# Altium PCB PCB-Tester-Relay-Board.PcbDoc (part 4 of 4) (continued)
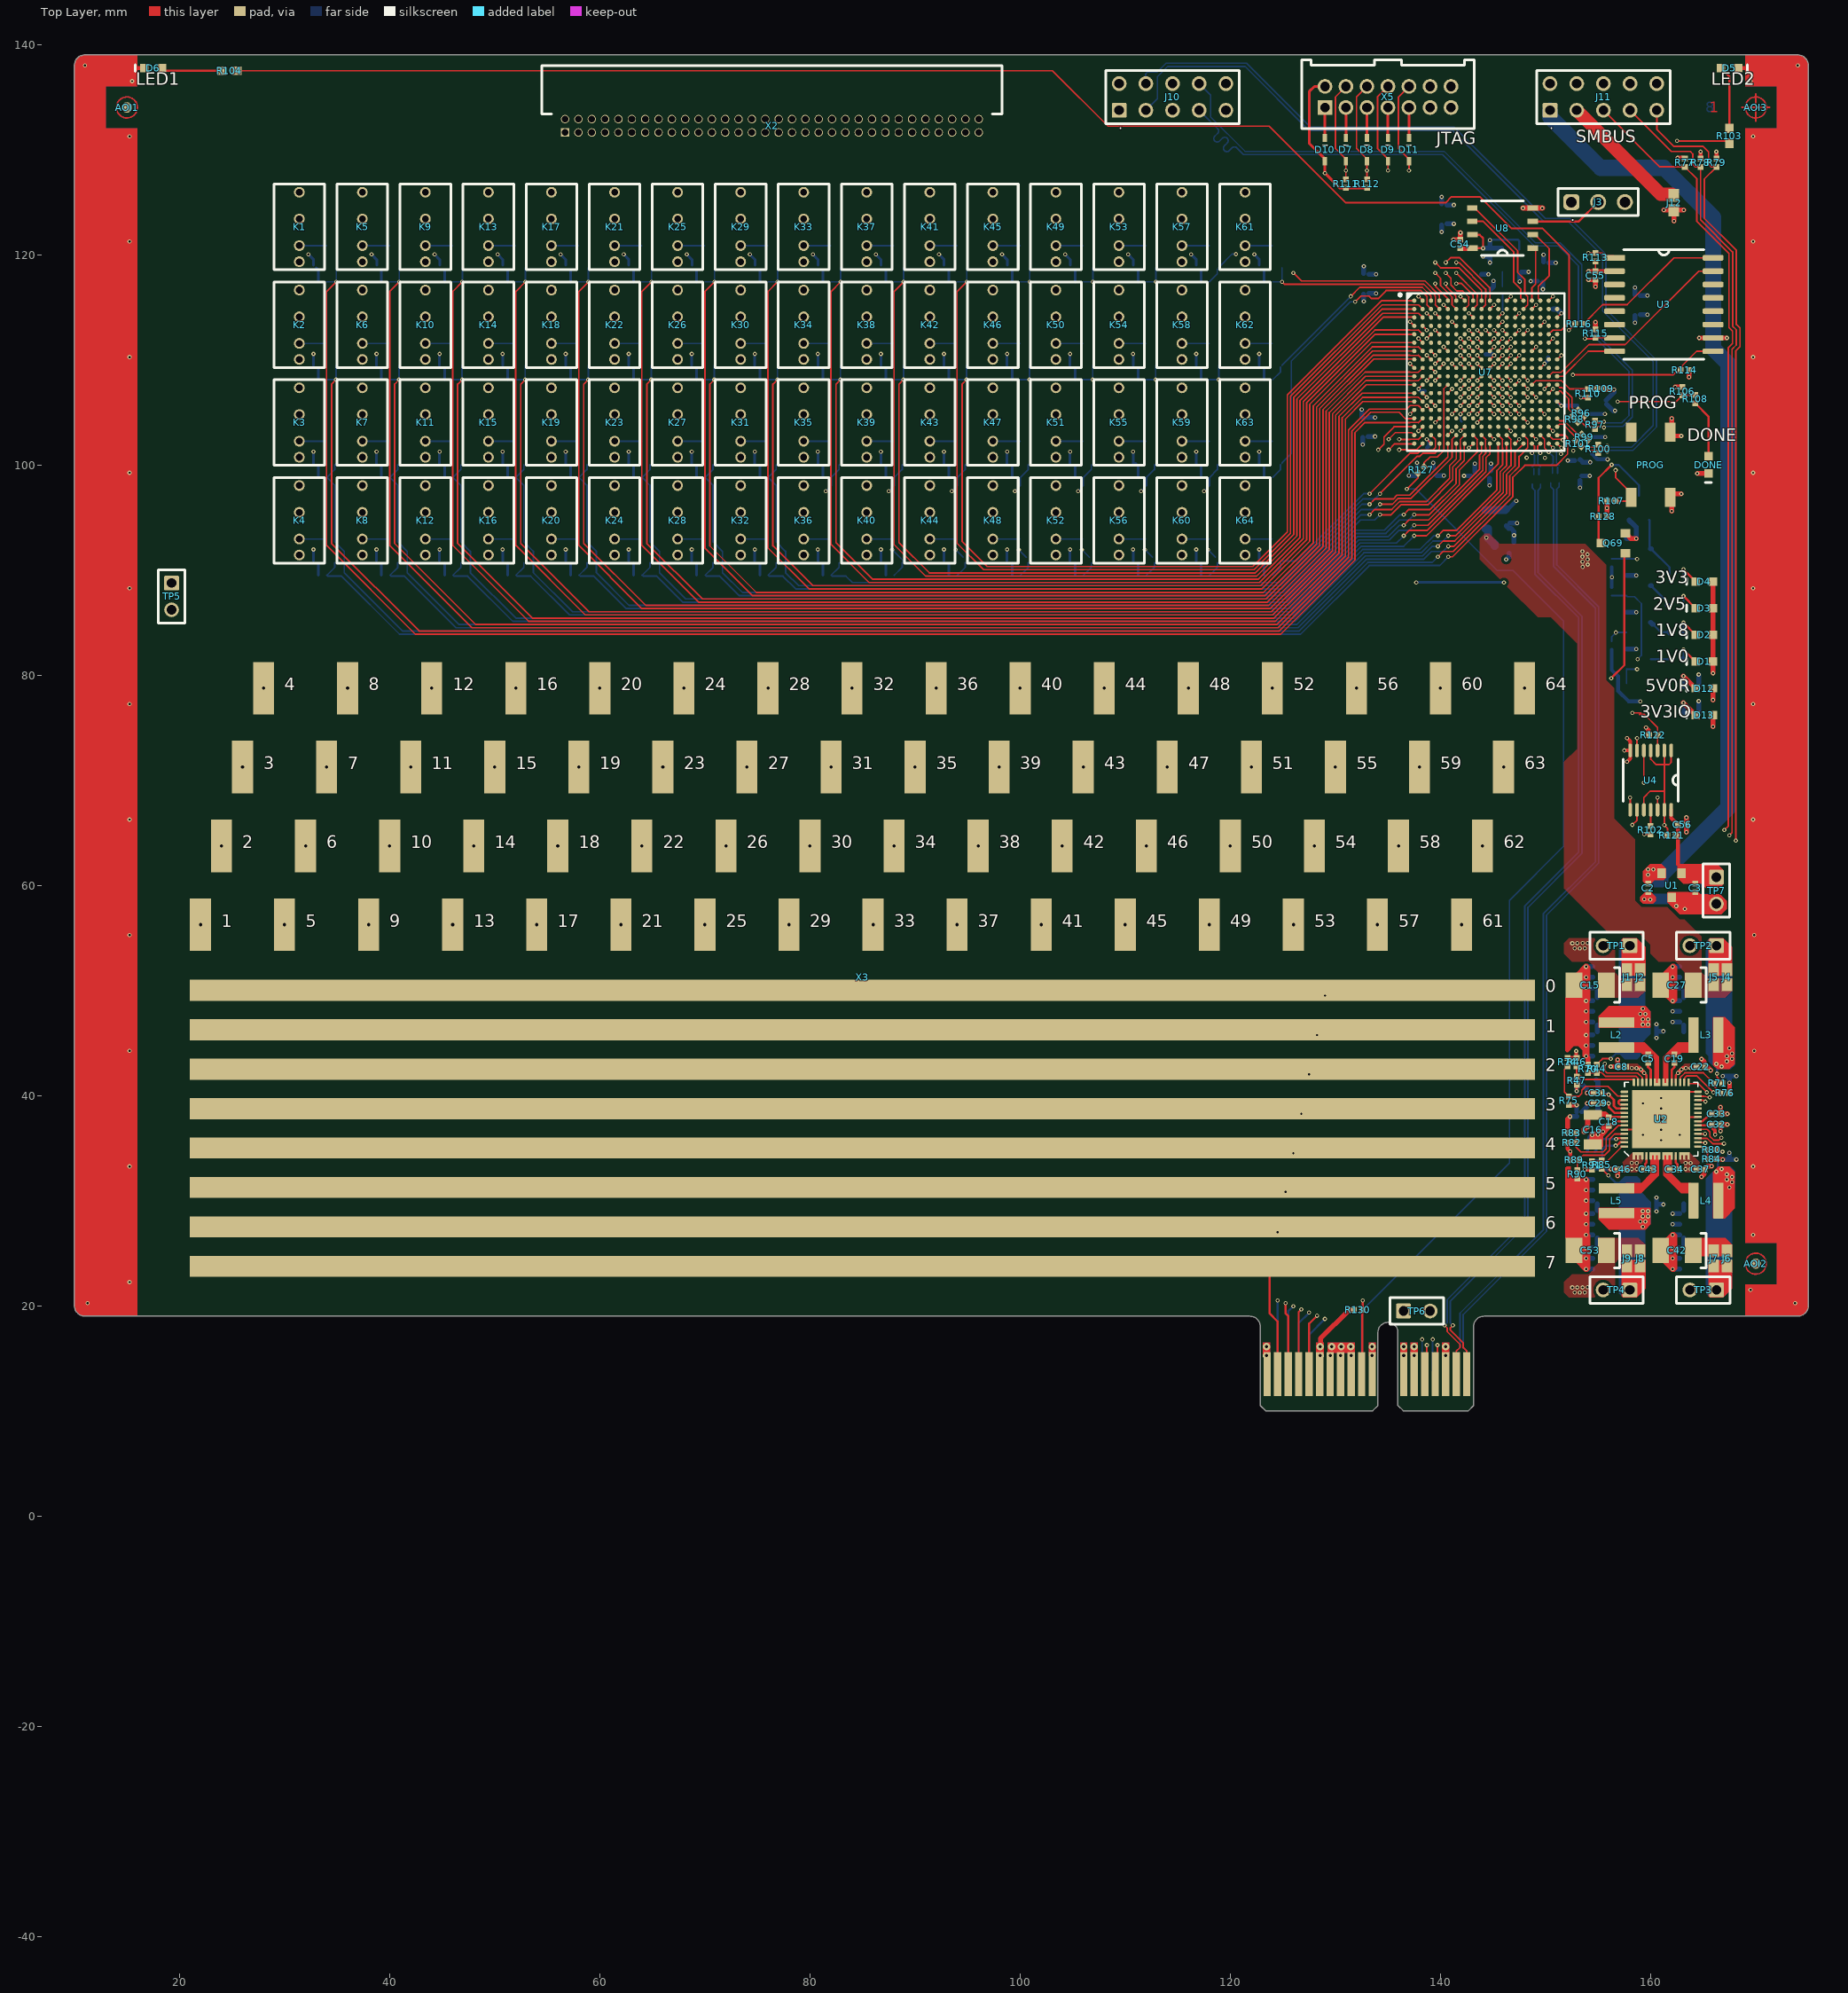
[diagram p0: Top Layer view]
## Nets (pads, with @x,y where several pads share a name; then routed paths per layer and width w, separated by ;. In a path a pad name is that pad's centre, name@x,y a point inside that pad or via, vN(x,y) a via of type N, cw(c..) or ccw(c..) an arc to the next point about the centre after c; other vN are vias at no path point) (continued)
  Inner2 w0.152: v1(148.3,106.421) 149.767,107.888 152.624,107.888 154.25,109.514 154.25,112.433 153.602,113.081 153.602,119.687 v1(154.064,120.15)
NetR114_1: R114.1 U3.9 U7.L14 | length 20.2
  Top Layer w0.152: U7.L14@147.9,107.621 v1(148.3,107.221) ; v1(152.6,108.56) 162.135,108.56 162.436,108.861 162.651,108.861 162.713,108.922 162.713,109.138 162.928,109.138 162.989,109.199 162.989,109.414 164.38,110.805 U3.9@166.155,110.805
  Inner2 w0.152: v1(148.3,107.221) 149.319,108.241 152.28,108.241 v1(152.6,108.56)
NetR115_1: R115.1 U3.7 U7.L13 | length 11.3
  Top Layer w0.152: U7.L13@147.1,107.621 v1(147.5,108.021) ; v1(153.75,112) 154.65,112 R115.1@154.75,112.1 156.54,112.1 U3.7@156.565,112.075
  Inner2 w0.152: v1(147.5,108.021) 148.075,108.596 150.346,108.596 v1(153.75,112)
NetR116_1: R116.1 U7.E9 | length 10.4
  Top Layer w0.152: v1(143.5,112.821) U7.E9@143.9,112.421 ; v1(152.213,112.811) R116.1@152.797,113.395
  Inner2 w0.127: 143.9,112.421 148.7,112.421
  Inner2 w0.152: v1(143.5,112.821) 143.9,112.421 ; 148.7,112.421 149.089,112.811 v1(152.213,112.811)
NetR116_2: R116.2 U3.16 | length 14.9
  Top Layer w0.152: R116.2@153.597,113.395 155.445,115.242 157.765,115.242 162.217,119.695 U3.16@165.935,119.695
NetR117_1: R117.1 R124.1 U7.U16 | length 4
  Top Layer w0.127: 149.9,101.606 149.9,102.421
  Top Layer w0.152: U7.U16@149.5,102.821 149.9,102.421 ; 149.9,101.606 v1(150.3,101.206)
  Bottom Layer w0.152: v1(150.3,101.206) 150.727,100.778 150.727,100.178 R124.1@150.491,99.942 ; R117.1@150.651,99.194 R124.1@150.651,99.759
NetR118_1: R118.1 R124.2 U7.V17 | length 3.1
  Top Layer w0.152: U7.V17@150.3,102.021 v1(150.7,101.621)
  Bottom Layer w0.152: v1(150.7,101.621) 151.036,101.285 151.036,100.198 R124.2@151.291,99.942 ; R118.1@151.131,99.194 R124.2@151.131,99.759
NetR119_1: R119.1 R123.1 U7.V15 | length 3.2
  Top Layer w0.152: v1(148.7,101.122) 148.95,101.373 148.95,101.77 U7.V15@148.7,102.021
  Bottom Layer w0.152: v1(148.7,101.122) 148.96,100.862 148.96,100.069 R123.1@148.723,99.832 ; R119.1@148.883,99.084 R123.1@148.883,99.648
NetR120_1: R120.1 R123.2 U7.V16 | length 3.2
  Top Layer w0.152: v1(149.5,101.122) 149.255,101.367 149.255,101.776 U7.V16@149.5,102.021
  Bottom Layer w0.152: R120.1@149.363,99.084 R123.2@149.363,99.648 ; v1(149.5,101.122) 149.265,100.887 149.265,100.09 R123.2@149.523,99.832
NetU2_45: U2.45 U2.46 | length 1.4
  Top Layer w0.22: U2.46@157.5,39.15 157.062,39.15 156.933,39.279 156.933,39.421 157.062,39.55 U2.45@157.5,39.55
NetU3_8: U3.8 U7.K18 | length 6.5
  Top Layer w0.152: U7.K18@151.1,108.421 151.671,108.421 154.055,110.805 U3.8@156.565,110.805
NetU3_15: U3.15 U7.K17 | length 19.8
  Top Layer w0.127: 150.7,108.821 151.5,108.821
  Top Layer w0.152: U7.K17@150.3,108.421 150.7,108.821 ; 151.5,108.821 154.116,111.437 157.575,111.437 164.563,118.425 U3.15@165.935,118.425
nPOR_1: Q69.3 Q70.3 R128.2 U7.M17 | length 27
  Top Layer w0.152: U7.M17@150.3,106.821 v1(150.7,107.221)
  Top Layer w0.203: Q69.3@155.3,92.55 155.05,92.8 R128.2@155.05,95.1 155.05,98.76 v1(156.29,100)
  Inner2 w0.152: v1(150.7,107.221) 153.268,107.221 153.904,106.585 157.078,106.585 157.5,106.163 157.5,101.21 v1(156.29,100)
  Bottom Layer w0.203: v1(156.29,100) 156.945,100 158.9,98.045 Q70.3@158.9,97.05
PG_A_2: Q65.1 R45.1 U2.26 | length 51.7
  Top Layer w0.152: U2.26@164.5,39.55 165.002,39.55 v1(165.202,39.418)
  Inner5 w0.152: v1(158.7,80.55) 158.7,80.242 166.144,72.798 166.144,64.422 169.016,61.55 169.016,41.125 167.265,39.374 166.408,39.374 166.101,39.067 165.552,39.067 v1(165.202,39.418)
  Bottom Layer w0.152: R45.1@157.7,79.199 Q65.1@157.7,80.599 ; Q65.1@157.7,80.55 v1(158.7,80.55)
PG_B_2: Q66.1 R73.1 U2.30 | length 55.4
  Top Layer w0.152: U2.30@163.206,41.256 163.23,41.28 163.23,41.677 163.405,41.852 164.406,41.852 v1(165.964,40.294)
  Inner5 w0.152: v1(156.7,84.05) 156.7,81.236 165.433,72.503 165.433,64.127 168.305,61.255 168.305,42.634 v1(165.964,40.294)
  Bottom Layer w0.152: R73.1@156.3,83.204 156.3,83.65 v1(156.7,84.05) Q66.1@157.7,84.05
PG_C_2: Q67.1 R81.1 U2.27 | length 58.1
  Top Layer w0.152: U2.27@164.5,39.95 164.526,39.924 165.071,39.924 v1(165.608,39.812)
  Inner5 w0.152: v1(158.75,81.5) 158.217,80.967 158.217,80.222 165.789,72.65 165.789,64.274 168.661,61.403 168.661,41.272 167.201,39.812 v1(165.608,39.812)
  Bottom Layer w0.152: R81.1@156.3,87.55 Q67.1@157.7,87.55 157.789,87.461 158.458,87.461 159.118,86.801 159.118,81.868 v1(158.75,81.5)
PG_D_2: Q68.1 R88.1 U2.16 | length 64.8
  Top Layer w0.152: U2.16@164.5,35.55 164.53,35.52 165.153,35.52 v1(165.189,35.484)
  Inner5 w0.152: v1(158.7,91.05) 165.2,84.55 165.2,79.339 166.5,78.039 166.5,64.569 169.372,61.697 169.372,40.978 165.623,37.229 165.623,35.917 v1(165.189,35.484)
  Bottom Layer w0.152: R88.1@156.3,91.05 Q68.1@157.7,91.05 v1(158.7,91.05)
RST_1: Q69.1 R130.2 X4.B10 | length 88.6
  Top Layer w0.203: X4.B10@132.5,13.5 132.55,13.55 R130.2@132.55,19.6 132.5,19.65 132.6,19.75 v1(132.6,20.5) ; v1(156.25,79.7) 157.502,80.952 157.502,91.502 Q69.1@157.6,91.6
  Inner2 w0.203: v1(132.6,20.5) 140.692,28.592 140.692,48.176 156.3,63.784 156.174,63.91 156.25,63.986 v1(156.25,79.7)
SCLK_1: U4.5 X4.B14 | length 68
  Top Layer w0.152: X4.B14@138.5,13.5 138.704,13.704 v1(138.704,16.256) ; v1(159.35,69.75) U4.5@159.35,72.825
  Inner2 w0.152: v1(138.704,16.256) 138.704,17.829 141.737,20.862 141.737,47.654 155.917,61.833 158.777,64.693 158.777,66.416 159.35,66.99 v1(159.35,69.75)
SMBUS.ALERT#: J11.5 R77.1 U2.17 | length 110.4
  Top Layer w0.152: J11.5@155.5,133.73 160.88,128.35 R77.1@163.25,128.35 164.394,127.206 164.394,123.155 167.443,120.106 167.443,113.054 167.788,112.709 167.788,111.541 167.394,111.147 167.394,65.644 v1(167,65.25) ; U2.17@164.5,35.95 164.534,35.916 165.386,35.916 165.886,35.415 v1(166.971,35.415)
  Inner2 w0.152: v1(166.971,35.415) 168.123,36.568 168.123,40.045 169.43,41.352 169.43,42.608 169.219,42.819 169.219,64.031 168,65.25 v1(167,65.25)
SMBUS.CLK: J11.7 R78.1 U2.18 | length 105.8
  Top Layer w0.152: J11.7@158.04,133.73 161.949,129.821 163.762,129.821 164,129.583 164,128.595 164.245,128.35 R78.1@164.75,128.35 164.75,123.302 167.799,120.254 167.799,113.201 168.144,112.856 168.144,111.394 167.75,111 167.75,65 v1(167.5,64.75) ; U2.18@164.5,36.35 v1@165.15,36.35
  Inner2 w0.152: v1(165.176,36.348) 165.176,38.104 168.719,41.647 168.719,42.313 168.508,42.525 168.508,62.968 167.5,63.976 v1(167.5,64.75)
SMBUS.DATA: J11.9 R79.1 U2.19 | length 108.4
  Top Layer w0.152: J11.9@160.58,133.73 160.58,131.928 162.216,130.292 164.992,130.292 165.5,129.784 165.5,128.595 165.745,128.35 R79.1@166.25,128.35 165.106,127.206 165.106,123.45 168.154,120.401 168.154,113.348 168.499,113.004 168.499,111.246 168.106,110.853 v1(168.106,64.25) ; U2.19@164.5,36.75 164.532,36.782 165.384,36.782 165.638,36.529 165.638,36.112 166,35.75 166.495,35.75 v1(166.722,35.977)
  Inner2 w0.152: v1(166.722,35.977) 167.768,37.023 167.768,40.193 169.075,41.499 169.075,42.461 168.863,42.672 168.863,63.115 168.106,63.873 v1(168.106,64.25)
TCK_7: D8.2 R112.1 U7.E10 X5.6 | length 33.5
  Top Layer w0.152: R112.1@133,127.15 v1(133,128) D8.2@133,128.9 133,129.096 132,130.096 132,135 X5.6@133,136 ; v1(144.3,112.821) U7.E10@144.7,112.421
  Inner2 w0.152: v1(133,128) 133.943,127.057 139.752,127.057 142.341,124.468 142.341,117.747 143.645,116.443 143.645,113.476 v1(144.3,112.821)
TDI_7: D11.2 U7.E11 X5.10 | length 29.3
  Top Layer w0.152: v1(137,128) D11.2@137,128.9 137,129.096 136,130.096 136,135 X5.10@137,136 ; v1(145.1,112.821) U7.E11@145.5,112.421
  Inner2 w0.152: v1(137,128) 139.374,128 142.741,124.634 142.741,117.913 144.112,116.542 144.112,113.809 v1(145.1,112.821)
TDO_7: D9.2 U7.E13 X5.8 | length 33.8
  Top Layer w0.152: v1(135,128) D9.2@135,128.9 135,129.096 134,130.096 134,135 X5.8@135,136 ; U7.E13@147.1,112.421 v1(147.5,112.821)
  Inner2 w0.152: v1(135,128) 135.9,128.9 139.685,128.9 143.596,124.988 143.596,118.268 146.997,114.867 146.997,113.323 v1(147.5,112.821)
TMS_7: D7.2 R111.1 U7.E12 X5.4 | length 38.2
  Top Layer w0.152: R111.1@131,127.15 v1(131,128) D7.2@131,128.9 131,129.1 130.876,129.224 130.873,129.224 130,130.096 130,135 X5.4@131,136 ; v1(145.9,112.821) U7.E12@146.3,112.421
  Inner2 w0.152: v1(131,128) 131.537,128.537 133.387,128.537 134.458,127.467 135.467,127.467 136.5,128.5 139.477,128.5 143.167,124.81 143.167,118.09 144.555,116.702 144.555,114.166 v1(145.9,112.821)
Vcc_2: C28.1 C29.1 R72.2 U2.29 U2.48 | length 17
  Top Layer w0.152: U2.29@163.6,41.25 163.6,41.153 163.634,41.119 164.546,41.119 165.347,40.319 v1(165.347,40.305)
  Top Layer w0.22: C29.1@155.4,39.25 v1(156,39.25) 156.03,39.22 156.03,38.872 156.552,38.35 U2.48@157.5,38.35
  Inner4 w0.203: v1(156,39.25) 157.055,40.305 v1(165.347,40.305)
  Bottom Layer w0.406: R72.2@155.25,39.35 155.9,39.35 v1(156,39.25)
  Bottom Layer w0.508: C28.1@154.8,38 154.98,38.18 154.98,39.08 R72.2@155.25,39.35
pads on no net: AOI1.0 AOI2.0 AOI4.0 AOI5.0 PROG.2 U2.23 U2.24 U2.25 U2.43 U3.3 U3.4 U3.5 U3.6 U3.11 U3.12 U3.13 U3.14 U7.A11 U7.A13 U7.A18 U7.B11 U7.B12 U7.B13 U7.B16 U7.B17 U7.B18 U7.C5 U7.C6 U7.C7 U7.C9 U7.C10 U7.C12 U7.C14 U7.C15 U7.C16 U7.C17 U7.D3 U7.D4 U7.D5 U7.D7 U7.D8 U7.D9 U7.D10 U7.D12 U7.D13 U7.D14 U7.D15 U7.D17 U7.D18 U7.E5 U7.E6 U7.E7 U7.E15 U7.E16 U7.E18 U7.F3 U7.F4 U7.F5 U7.F6 U7.F13 U7.F14 U7.F15 U7.F16 U7.F18 U7.G4 U7.G6 U7.G13 U7.G14 U7.G16 U7.G17 U7.G18 U7.H5 U7.H6 U7.H14 U7.H15 U7.H16 U7.H17 U7.J5 U7.J13 U7.J14 U7.J15 U7.J17 U7.J18 U7.K5 U7.K6 U7.K13 U7.K15 U7.K16 U7.L3 U7.L4 U7.L6 U7.L16 U7.M3 U7.M4 U7.M6 U7.M13 U7.M16 U7.N4 U7.N5 U7.N6 U7.N14 U7.N15 U7.N16 U7.N17 U7.P4 U7.P5 U7.P14 U7.P15 U7.P17 U7.P18 U7.R3 U7.R5 U7.R6 U7.R7 U7.R8 U7.R10 U7.R11 U7.R12 U7.R13 U7.R15 U7.R16 U7.R17 U7.T3 U7.T4 U7.T5 U7.T6 U7.T8 U7.T9 U7.T10 U7.T11 U7.T13 U7.T14 U7.T15 U7.T16 U7.U4 U7.U13 X5.12 X5.14

## Polygon pours and split planes (outlines as drawn)
1V8 on Top Layer "1V8" (solid, remove dead copper, pour order 13): 145.627,92.479 144.648,93.459 144.209,93.459 143.75,93 143.75,91 149.25,85.5 150.5,85.5 153,83 153,73 151.75,71.75 151.75,59.686 155.936,55.5 158.842,55.5 160,54.342 160,53.5 160.75,52.75 162.2,52.75 163.25,51.7 163.25,49.3 167.111,49.3 167.75,49.939 167.75,51.139 165.411,51.139 164.85,51.7 164.85,55.15 163.25,56.75 162.75,56.75 161.59,57.91 159.121,57.91 158.5,58.532 158.5,64.375 156.5,66.375 156.5,78.75 155.75,79.5 155.75,90.5 153.771,92.479
1V0 on Top Layer "GND" (solid, remove dead copper, pour order 12): 159.5,51.139 159.5,49.939 158.861,49.3 155,49.3 155,51.7 153.95,52.75 152.5,52.75 151.75,53.5 151.75,54.5 152.2,54.95 155.48,54.95 156.6,53.83 156.6,51.7 157.161,51.139
3V3 on Top Layer "GND" (solid, remove dead copper, pour order 11): 159.5,24.611 159.5,25.811 158.861,26.45 155,26.45 155,24.05 153.95,23 152.5,23 151.75,22.25 151.75,21.25 152.2,20.8 155.48,20.8 156.6,21.92 156.6,24.05 157.161,24.611
12V0 on Top Layer "12V0" (solid, remove dead copper, pour order 5): 159.31,34.605 159.31,33.31 158.675,32.675 157.425,32.675 157.234,32.866 157.234,33.549 158.29,34.605
12V0 on Top Layer "12V0" (solid, remove dead copper, pour order 4): 162.69,34.605 162.69,33.31 163.325,32.675 164.575,32.675 164.766,32.866 164.766,33.549 163.71,34.605
12V0 on Top Layer "12V0" (solid, remove dead copper, pour order 0): 164.413,42.263 164.625,42.475 164.625,43.025 164.375,43.025 163.238,43.025 162.925,42.713 162.925,42.263
12V0 on Top Layer "12V0" (solid, remove dead copper, pour order 3): 157.587,42.263 157.375,42.475 157.375,43.025 157.625,43.025 158.762,43.025 159.075,42.713 159.075,42.263
GND on Bottom Layer "GND" (solid, remove dead copper, pour order 17): 154.675,100.831 154.59,100.746 152.374,100.746 152.05,101.071 136.55,101.071 136.55,116.571 152.675,116.571 152.675,108.821 152.675,108.291 154.675,106.291
3V3 on Bottom Layer "3V3" (solid, remove dead copper, pour order 15): 136.607,101.071 137.01,100.667 143.253,100.667 144.301,99.62 144.301,98.421 145.175,99.295 145.175,99.721 145.617,100.163 147.719,100.163 148.627,101.071 152.05,101.071 152.05,116.571 144.65,116.571 143.3,117.92 142.899,117.92 142.436,117.457 137.436,117.457 136.55,116.571 136.55,101.071
1V0 on Bottom Layer "1V0" (solid, remove dead copper, pour order 16): 140.7,104.821 140.7,112.821 146.445,112.821 146.445,104.821
1V8 on Bottom Layer "1V8" (solid, remove dead copper, pour order 14): 145.9,105.621 145.9,113.221 148.555,113.221 148.555,105.621
GND on Bottom Layer "12V0" (solid, remove dead copper, pour order 8): 157.325,40.25 155.9,38.825 155.9,36.675 157.325,35.25 164.675,35.25 166.1,36.675 166.1,38.825 164.675,40.25
12V0 on Bottom Layer "12V0" (solid, remove dead copper, pour order 7): 159.603,32.603 157.397,32.603 155.9,34.1 155.9,34.825 160.175,34.825 160.5,34.5 160.5,33.5
12V0 on Bottom Layer "12V0" (solid, remove dead copper, pour order 10): 162.397,42.897 164.603,42.897 166.1,41.4 166.1,40.675 161.825,40.675 161.5,41 161.5,42
12V0 on Bottom Layer "12V0" (solid, remove dead copper, pour order 6): 162.397,32.603 164.603,32.603 166.1,34.1 166.1,34.825 161.825,34.825 161.5,34.5 161.5,33.5
12V0 on Bottom Layer "12V0" (solid, remove dead copper, pour order 9): 159.603,42.897 157.397,42.897 155.9,41.4 155.9,40.675 160.175,40.675 160.5,41 160.5,42
1V8 on Inner5 "1V8" (solid, remove dead copper, pour order 19): 145.437,105.079 148.695,101.821 151.3,101.821 151.469,101.651 151.469,90.781 152.75,89.5 154.25,89.5 156,91.25 156,99.501 154.738,100.762 154.738,105.182 147.3,112.621 146.037,112.621 145.437,112.021
1V0 on Inner5 "1V0" (solid, remove dead copper, pour order 23): 145.575,88.425 145.575,89.575 145.575,101.699 143.7,103.519 143.7,109.921 144.753,110.975 146.048,110.975 146.3,111.226 146.3,112.608 150.5,116.808 150.5,117.25 149.704,118.046 144.995,118.046 138.329,111.38 138.329,84.071 140.649,81.75 147.75,81.75 149.5,80 149.5,55 150.968,53.532 153.639,53.532 155,54.893 155,63.25 156,64.25 156,84.5 152.75,87.75 146.25,87.75
12V0 on Inner5 "12V" (solid, remove dead copper, pour order 18): 163.615,43.65 161.421,45.844 158.956,45.844 158.1,46.7 158.1,48.45 163.73,54.08 163.73,60.02 161.5,62.25 159.25,62.25 155.48,58.48 155.48,55.077 151.498,51.095 151.48,38.98 132.5,20 132.5,17.15 133.15,16.5 133.15,11.4 133.85,11.4 133.85,18.1 134.5,18.75 135.5,18.75 136.15,18.1 136.15,11.4 136.85,11.4 136.85,16.5 139.02,18.67 139.02,19.5 139.752,20.232 146.682,20.232 156.45,30 163.575,30 164.675,31.1 164.675,42.59
1V0 on Inner5 "1V0" (solid, remove dead copper, pour order 24): 154,53.75
3V3 on Inner2 "3V3" (solid, remove dead copper, pour order 28): 138.463,101.635 138.089,101.635 137.413,102.311 136.55,103.175 136.55,114.4 138.72,116.571 150.94,116.571 152.569,114.942 152.569,109.89 151.653,108.975 151.646,101.468 151.504,101.468 150.807,102.166 148.608,102.166 147.514,101.072 146.686,100.243 146.686,98.378 145.557,97.25 143.75,97.25 141.9,99.1 141.9,101.5 139.9,103.5 139.101,103.5 138.65,103.049 138.65,101.822
12V0 on Inner2 "12V0" (solid, remove dead copper, pour order 29): 133.85,14.491 133.85,18.1 134.5,18.75 135.5,18.75 136.15,18.1 136.15,14.491 136.755,14.491 137.18,14.915 137.18,20.32 136.75,20.75 133.25,20.75 132.531,20.031 132.531,17.119 133.15,16.5 133.15,14.491
1V0 on Inner2 "1V0" (solid, remove dead copper, pour order 26): 141.688,105.032 140.9,105.82 140.9,111.626 142.272,112.998 145.385,112.998 146.499,111.884 146.5,105.536 145.996,105.032
3V3IO on Inner2 "3V3IO" (solid, remove dead copper, pour order 22): 171,129.233 162.233,138 152.25,138 151.644,137.394 151.644,132.606 152.75,131.5 162.75,131.5 163.061,131.189 163.061,130.311 160.55,127.8 160.55,92.05 159,90.5 156.5,90.5 155.5,89.5 155.5,88.75 160,84.25 160,79.348 158.629,77.977 158.629,77.371 159.25,76.75 160.25,76.75 162.125,74.875 162.125,65.375 160,63.25 160,49.25 160.55,48.7 160.55,45.042 159.758,44.25 153.547,44.25 153.138,44.66 152.734,44.66 152.584,44.509 152.584,35.516 151.908,34.841 151.908,34.487 152.253,34.142 159.817,34.142 160.337,34.663 161.077,34.663 161.445,34.205 162.593,33.057 164.685,33.057 166.284,34.655 166.284,35.784 166.5,36 166.5,36.5 166.361,36.639 165.956,36.639 165.294,35.977 164.873,35.977 164.5,36.35 164.547,36.397 164.547,54.547 167.75,57.75 167.75,62.816 166.5,64.066 166.5,65.981 171,70.481
1V8 on Inner2 "1V8" (solid, remove dead copper, pour order 27): 146.652,112.421 146.363,112.131 146.363,111.801 146.269,111.707 146.269,106.16 146.624,105.805 147.22,105.805 147.837,106.421 147.837,107.284 147.3,107.821 147.3,108.331 148.845,109.876 148.845,111.271 147.695,112.421
no net on Inner2 "3V3" (solid, remove dead copper, pour order 21): 152.905,44.6
3V3 on Inner4 "3V3" (solid, remove dead copper, pour order 20): 156,80 159.5,76.5 160.15,76.5 160.475,76.175 160.475,75.546 159.679,74.75 158.75,74.75 156,72 156,57 157,56 157,52.75 156,51.75 156,28.455 157.25,27.205 157.25,23.189 154.561,20.5 151.75,20.5 145,27.25 145,59.5 147,61.5 147,67.5 148.75,69.25 148.75,74.5 150.5,76.25 150.5,81.25 145,86.75 145,92.62 136.55,101.071 132.929,101.071 132.25,101.75 132.25,102.794 134.761,105.305 136.525,105.305 136.525,112.646 140.075,116.196 141.1,116.196 142,117.095 142,119.453 140.101,121.351 138.014,121.351 134.152,117.489 132.011,117.489 126.75,122.75 126.75,136.75 127.75,137.75 142,137.75 153.5,126.25 153.5,123.75 160.5,116.75 160.5,113.25 164.5,109.25 164.5,107.825 159.75,103.075 159.75,88.75 156,85
GND on Inner3 "GND" (solid, remove dead copper, pour order 25): 131.6,117.489 126.5,122.589 126.529,123.779 119.598,130.652 110.024,130.652 108,132.677 108,137.75 108.75,138.5 173.5,138.5 174,138 174,20.5 173.75,20.25 143.5,20.25 142.75,19.5 142.75,16.293 140.85,14.393 137.578,14.393 137.15,14.821 137.15,44.65 150.75,58.25 150.75,80.25 131.6,99.4
GND on Inner1 (split plane): 174.096,138.482 174.188,138.454 174.273,138.409 174.348,138.348 174.409,138.273 174.454,138.188 174.482,138.096 174.491,138.012 174.49,138 174.49,20 174.491,19.988 174.482,19.904 174.454,19.812 174.409,19.727 174.348,19.652 174.273,19.591 174.188,19.546 174.096,19.518 174.012,19.509 174,19.51 144.15,19.51 144.148,19.51 143.981,19.501 143.814,19.473 143.651,19.426 143.495,19.361 143.346,19.279 143.208,19.181 143.082,19.068 142.969,18.942 142.871,18.804 142.789,18.655 142.724,18.499 142.677,18.336 142.649,18.169 142.64,18.002 142.64,18 142.64,10.711 142.439,10.51 136.661,10.51 136.46,10.711 136.46,17.46 136.46,17.464 136.451,17.624 136.424,17.785 136.378,17.942 136.316,18.094 136.236,18.237 136.142,18.37 136.033,18.493 135.91,18.602 135.777,18.696 135.634,18.776 135.482,18.838 135.325,18.884 135.164,18.911 135,18.92 134.836,18.911 134.675,18.884 134.518,18.838 134.366,18.776 134.223,18.696 134.09,18.602 133.967,18.493 133.858,18.37 133.764,18.237 133.684,18.094 133.622,17.942 133.576,17.785 133.549,17.624 133.54,17.464 133.54,17.46 133.54,10.711 133.339,10.51 123.561,10.51 123.36,10.711 123.36,18 123.36,18.002 123.351,18.169 123.323,18.336 123.276,18.499 123.211,18.655 123.129,18.804 123.031,18.942 122.918,19.068 122.792,19.181 122.654,19.279 122.505,19.361 122.349,19.426 122.186,19.473 122.019,19.501 121.852,19.51 121.85,19.51 11,19.51 10.988,19.509 10.904,19.518 10.812,19.546 10.727,19.591 10.652,19.652 10.591,19.727 10.546,19.812 10.518,19.904 10.509,19.988 10.51,20 10.51,138 10.509,138.012 10.518,138.096 10.546,138.188 10.591,138.273 10.652,138.348 10.727,138.409 10.812,138.454 10.904,138.482 10.988,138.491 11,138.49 174,138.49 174.012,138.491
GND on Inner6 (split plane): 174.096,138.482 174.188,138.454 174.273,138.409 174.348,138.348 174.409,138.273 174.454,138.188 174.482,138.096 174.491,138.012 174.49,138 174.49,20 174.491,19.988 174.482,19.904 174.454,19.812 174.409,19.727 174.348,19.652 174.273,19.591 174.188,19.546 174.096,19.518 174.012,19.509 174,19.51 144.15,19.51 144.148,19.51 143.981,19.501 143.814,19.473 143.651,19.426 143.495,19.361 143.346,19.279 143.208,19.181 143.082,19.068 142.969,18.942 142.871,18.804 142.789,18.655 142.724,18.499 142.677,18.336 142.649,18.169 142.64,18.002 142.64,18 142.64,10.711 142.439,10.51 136.661,10.51 136.46,10.711 136.46,17.46 136.46,17.464 136.451,17.624 136.424,17.785 136.378,17.942 136.316,18.094 136.236,18.237 136.142,18.37 136.033,18.493 135.91,18.602 135.777,18.696 135.634,18.776 135.482,18.838 135.325,18.884 135.164,18.911 135,18.92 134.836,18.911 134.675,18.884 134.518,18.838 134.366,18.776 134.223,18.696 134.09,18.602 133.967,18.493 133.858,18.37 133.764,18.237 133.684,18.094 133.622,17.942 133.576,17.785 133.549,17.624 133.54,17.464 133.54,17.46 133.54,10.711 133.339,10.51 123.561,10.51 123.36,10.711 123.36,18 123.36,18.002 123.351,18.169 123.323,18.336 123.276,18.499 123.211,18.655 123.129,18.804 123.031,18.942 122.918,19.068 122.792,19.181 122.654,19.279 122.505,19.361 122.349,19.426 122.186,19.473 122.019,19.501 121.852,19.51 121.85,19.51 11,19.51 10.988,19.509 10.904,19.518 10.812,19.546 10.727,19.591 10.652,19.652 10.591,19.727 10.546,19.812 10.518,19.904 10.509,19.988 10.51,20 10.51,138 10.509,138.012 10.518,138.096 10.546,138.188 10.591,138.273 10.652,138.348 10.727,138.409 10.812,138.454 10.904,138.482 10.988,138.491 11,138.49 174,138.49 174.012,138.491

## Other copper
Top Layer:
  rectangle net 5V0R: 129.25,15.5 131.85,16.5
  rectangle net 12V0: 136.15,15.259 136.85,16.5
  rectangle net 12V0: 133.15,15.259 133.85,16.5
  rectangle net GND: 123.1,15.259 123.8,16.5
  rectangle net GND: 128.15,15.259 128.9,16.5
  rectangle net GND: 140.15,15.259 140.85,16.5
  rectangle net GND: 137.15,15.259 137.85,16.5
  region net GND: 16,139 16,136 13,136 13,132 16,132 16,19 11,19 cw(c11,20) 10,20 10,138 cw(c11,138) 11,139
  region net GND: 169,139 169,136 172,136 172,132 169,132 169,26 172,26 172,22 169,22 169,19 174,19 ccw(c174,20) 175,20 175,138 ccw(c174,138) 174,139
  region net GND: 151.9,44.6 151.9,44.237 152.025,44.112 152.112,44.112 152.695,44.695 153.103,44.695 153.523,44.275 153.523,43.727 153.928,43.322 154.027,43.322 154.177,43.473 154.177,44.503 154.177,48.927 154.25,49 154.25,52.25 154,52.5 153.75,52.5 152.75,51.5 152.75,49.75 152.35,49.75 151.9,49.3
  region net GND: 159.475,59.35 159,58.875 159,58.5 159.25,58.25 160.25,58.25 160.5,58.5 160.5,58.875 160.025,59.35
  region: 158.5,61.25
  region net 12V0: 159.475,60.15 159.25,60.375 159.25,61.319 159.931,62 161.05,62 161.45,61.6 161.45,60.7 161.25,60.5 160.375,60.5 160.025,60.15
  region: 159.475,59.875
  region net 3V3IO: 162.55,62 166.358,62 166.95,61.408 166.95,60.132 166.568,59.75 165.25,59.75 164.85,60.15 163.1,60.15 162.55,60.7
  region net GND: 164.525,59.35 164.738,59.137 166.613,59.137 167.25,58.5 167.25,57.75 166.75,57.25 162.75,57.25 161.6,58.4 161.6,59.3 161.65,59.35
  region net GND: 155.31,34.982 155.453,35.125 155.453,36.117 156.275,36.938 155.907,37.307 155.557,37.307 154.822,36.572 154.322,36.572 154.18,36.43 154.18,35.93 154.018,35.768 154.018,35.232 154.268,34.982
  region net GND: 162,48.75 161,49.75 161,51.5 162,52.5 162.25,52.5 162.5,52.25 162.5,49 162.25,48.75
  region net GND: 162,27 161,26 161,24.25 162,23.25 162.25,23.25 162.5,23.5 162.5,26.75 162.25,27
  region net GND: 153.925,32.25 153.75,32.25 153.6,32.1 152.595,32.1 152.392,32.303 152.392,33.25 152,33.25 151.9,33.15 151.9,26.45 152.35,26 152.75,26 152.75,24.25 153.75,23.25 154,23.25 154.25,23.5 154.25,26.75 154.175,26.825 154.175,32
  region net 2V5: 167.75,24.702 164.548,24.702 163.75,25.5 164.7,26.45 167.111,26.45 167.75,25.811
  region net NetC38_1: 167.05,28.3 168,29.25 168,32.75 167.5,33.25 166.445,33.25 165.928,32.733 165.928,28.351 165.979,28.3
  region net NetC49_1: 155.05,28.2 156,27.25 159.5,27.25 160,27.75 160,29.25 159.928,29.322 155.101,29.322 155.05,29.271
  region net NetC49_1: 157.25,20.932 157.382,20.8 158.658,20.8 159.5,21.642 159.5,22.25 159.5,24.321 157.25,24.321
  region net NetC38_1: 165.5,20.932 165.632,20.8 166.908,20.8 167.75,21.642 167.75,22.25 167.75,24.312 165.5,24.312
  region net NetC23_1: 165.5,54.818 165.632,54.95 166.908,54.95 167.75,54.108 167.75,53.5 167.75,51.429 165.5,51.429
  region net NetC23_1: 167.05,47.45 168,46.5 168,43 167.5,42.5 166.346,42.5 165.928,42.918 165.928,47.399 165.979,47.45
  region net NetC11_1: 155.05,47.55 156,48.5 159.5,48.5 160,48 160,46.5 159.928,46.428 155.101,46.428 155.05,46.479
  region net NetC11_1: 157.25,54.818 157.382,54.95 158.658,54.95 159.5,54.108 159.5,53.5 159.5,51.427 157.25,51.427
  region net NetC19_2: 161.4,41.05 161.652,41.302 161.652,43.402 161.9,43.65 162.525,43.65 162.95,44.075 163.825,44.075 164,44.25 164,44.664 163.609,45.055 162.555,45.055 161.2,43.7 161.2,41.25
  region net NetC5_2: 160.6,41.05 160.348,41.302 160.348,43.402 160.1,43.65 159.475,43.65 159.05,44.075 158.175,44.075 158,44.25 158,44.664 158.391,45.055 159.445,45.055 160.8,43.7 160.8,41.25
  region net NetC34_2: 161.71,34.564 162,34.274 162,32.559 162.884,31.675 163.825,31.675 164.43,31.07 164.055,30.695 162.902,30.695 161.2,32.397 161.2,34.454 161.31,34.564
  region net NetC43_2: 160.29,34.564 160,34.274 160,32.559 159.116,31.675 157.649,31.675 157.268,31.294 157.346,31.294 157.945,30.695 159.098,30.695 160.8,32.397 160.8,34.454 160.69,34.564
  region: 174,139
  text "1" at 165.603,133.532 h1.02
Inner3:
  text "4" at 167.1,133.532 h1.02
Inner4:
  text "5" at 167.594,133.532 h1.02
Inner2:
  text "3" at 166.6,133.532 h1.02
Inner5:
  rectangle net 5V0R: 129.15,14.75 131.95,16.5
  text "6" at 167.094,133.532 h1.02
Bottom Layer:
  rectangle net 5V0R: 129.25,15.5 131.85,16.5
  rectangle net 12V0: 136.15,15.259 136.85,16.5
  rectangle net 12V0: 133.15,15.259 133.85,16.5
  rectangle net GND: 123.1,15.259 123.8,16.5
  rectangle net GND: 128.15,15.259 128.9,16.5
  rectangle net GND: 140.15,15.259 140.85,16.5
  rectangle net GND: 137.15,15.259 137.85,16.5
  region net GND: 16,139 16,136 13,136 13,132 16,132 16,19 11,19 cw(c11,20) 10,20 10,138 cw(c11,138) 11,139
  region net GND: 169,139 169,136 172,136 172,132 169,132 169,26 172,26 172,22 169,22 169,19 174,19 ccw(c174,20) 175,20 175,138 ccw(c174,138) 174,139
  region net GND: 161.675,59.175 159.425,59.175 159.128,58.878 159.128,58.622 159.525,58.225 161.675,58.225
  region net 12V0: 160.325,59.825 159.5,60.65 159.5,61.567 159.683,61.75 160.7,61.75 161.675,60.775 161.675,60.3 161.2,59.825
  region net NetC38_1: 166.422,33.25 165.25,32.078 165.25,21.182 165.632,20.8 166.908,20.8 167.734,21.625 167.734,30.984 168,31.25 168,32.875 167.625,33.25
  region net NetC49_1: 157.382,20.8 157,21.182 157,31.75 157.55,32.3 158.7,32.3 159,32 159,30.9 160.025,29.875 160.025,27.775 159.475,27.225 159.475,21.616 158.658,20.8
  region net NetC23_1: 165.25,44 165.5,43.75 165.5,43.25 166.25,42.5 167.625,42.5 168,42.875 168,44.5 167.734,44.766 167.734,54.125 166.908,54.95 165.632,54.95 165.25,54.568
  region net NetC11_1: 157.382,54.95 157,54.568 157,44 157.55,43.45 158.7,43.45 159,43.75 159,44.85 159.988,45.838 159.988,48.012 159.475,48.525 159.475,54.134 158.658,54.95
  text "8" at 166.097,133.532 h1.02
Inner1 (plane layer: these items are gaps in the copper):
  text "2" at 166.1,133.532 h1.02
Inner6 (plane layer: these items are gaps in the copper):
  text "7" at 166.594,133.532 h1.02

## Silkscreen, mask and mechanical layers (free items; w line width, h text height)
Top Overlay:
  text "LED1" at 15.838,135.7 h2
  text "LED2" at 165.757,135.7 h2
  text "SMBUS" at 152.873,130.222 h2
  text "JTAG" at 139.593,130.072 h2
  text "PROG" at 157.934,104.922 h2
  text "DONE" at 163.466,101.822 h2
  text "3V3" at 160.45,88.281 h2
  text "2V5" at 160.25,85.772 h2
  text "1V8" at 160.5,83.272 h2
  text "1V0" at 160.5,80.772 h2
  text "5V0R" at 159.5,78.022 h2
  text "3V3IO" at 159,75.522 h2
Bottom Overlay:
  rectangle: 49.95,57.15 89.95,64.15
  lines w0.5: 47.45,34.15 105.2,34.15 105.2,66.65 47.45,66.65 47.45,34.15
  text "S/N :" at 102.7,59.092 h5
  text "Project : .Project_Number" at 102.7,51.296 h5
  text "Revision : .Project_Revision" at 102.7,43.5 h5
  text "Name : .Project_Name" at 102.7,36.65 h5
Board Outline:
  the board outline again, w0.013
References:
  lines w0.013: 122.85,11.3 134.05,11.3 ; 135.95,11.3 143.15,11.3

## Text inside footprints (layer, text, board x,y; h text height)
X3: Top Overlay "4" at 30,78.116 h2; Top Overlay "3" at 28,70.625 h2; Top Overlay "2" at 26,63.119 h2; Top Overlay "1" at 23.995,55.618 h2; Top Overlay "0" at 150,49.376 h2; Top Overlay "1" at 150,45.616 h2; Top Overlay "2" at 150,41.892 h2; Top Overlay "3" at 150,38.133 h2; Top Overlay "4" at 150,34.39 h2; Top Overlay "5" at 150,30.613 h2; Top Overlay "6" at 150,26.853 h2; Top Overlay "7" at 150,23.129 h2; Top Overlay "5" at 31.996,55.617 h2; Top Overlay "6" at 34,63.118 h2; Top Overlay "7" at 36,70.625 h2; Top Overlay "8" at 38,78.116 h2; Top Overlay "9" at 39.996,55.617 h2; Top Overlay "10" at 42,63.118 h2; Top Overlay "11" at 44,70.625 h2; Top Overlay "12" at 46,78.116 h2; Top Overlay "13" at 47.996,55.617 h2; Top Overlay "14" at 50,63.118 h2; Top Overlay "15" at 52,70.625 h2; Top Overlay "16" at 54,78.116 h2; Top Overlay "17" at 55.996,55.617 h2; Top Overlay "18" at 58,63.118 h2; Top Overlay "19" at 60,70.625 h2; Top Overlay "20" at 62,78.116 h2; Top Overlay "21" at 63.996,55.617 h2; Top Overlay "22" at 66,63.118 h2; Top Overlay "23" at 68,70.625 h2; Top Overlay "24" at 70,78.116 h2; Top Overlay "25" at 71.996,55.617 h2; Top Overlay "26" at 74,63.118 h2; Top Overlay "27" at 76,70.625 h2; Top Overlay "28" at 78,78.116 h2; Top Overlay "29" at 79.996,55.617 h2; Top Overlay "30" at 82,63.118 h2; Top Overlay "31" at 84,70.625 h2; Top Overlay "32" at 86,78.116 h2; Top Overlay "33" at 87.996,55.617 h2; Top Overlay "34" at 90,63.118 h2; Top Overlay "35" at 92,70.625 h2; Top Overlay "36" at 94,78.116 h2; Top Overlay "37" at 95.996,55.617 h2; Top Overlay "38" at 98,63.118 h2; Top Overlay "39" at 100,70.625 h2; Top Overlay "40" at 102,78.116 h2; Top Overlay "41" at 103.996,55.617 h2; Top Overlay "42" at 106,63.118 h2; Top Overlay "43" at 108,70.625 h2; Top Overlay "44" at 110,78.116 h2; Top Overlay "45" at 111.996,55.617 h2; Top Overlay "46" at 114,63.118 h2; Top Overlay "47" at 116,70.625 h2; Top Overlay "48" at 118,78.116 h2; Top Overlay "49" at 119.996,55.617 h2; Top Overlay "50" at 122,63.118 h2; Top Overlay "51" at 124,70.625 h2; Top Overlay "52" at 126,78.116 h2; Top Overlay "53" at 127.996,55.617 h2; Top Overlay "54" at 130,63.118 h2; Top Overlay "55" at 132,70.625 h2; Top Overlay "56" at 134,78.116 h2; Top Overlay "57" at 135.996,55.617 h2; Top Overlay "58" at 138,63.118 h2; Top Overlay "59" at 140,70.625 h2; Top Overlay "60" at 142,78.116 h2; Top Overlay "61" at 143.996,55.617 h2; Top Overlay "62" at 146,63.118 h2; Top Overlay "63" at 148,70.625 h2; Top Overlay "64" at 150,78.116 h2